# Altium PCB pycyby.PcbDoc (part 1 of 2)
Units mil, origin at the board's own origin, x right, y up, seen from the top; angles counter-clockwise.
Board outline 4015.75 x 3346.46 mil, 2 copper layers (Top Layer, Bottom Layer), stack 63.824 mil thick; 169 components, 123 nets, 635 pads, 245 vias.
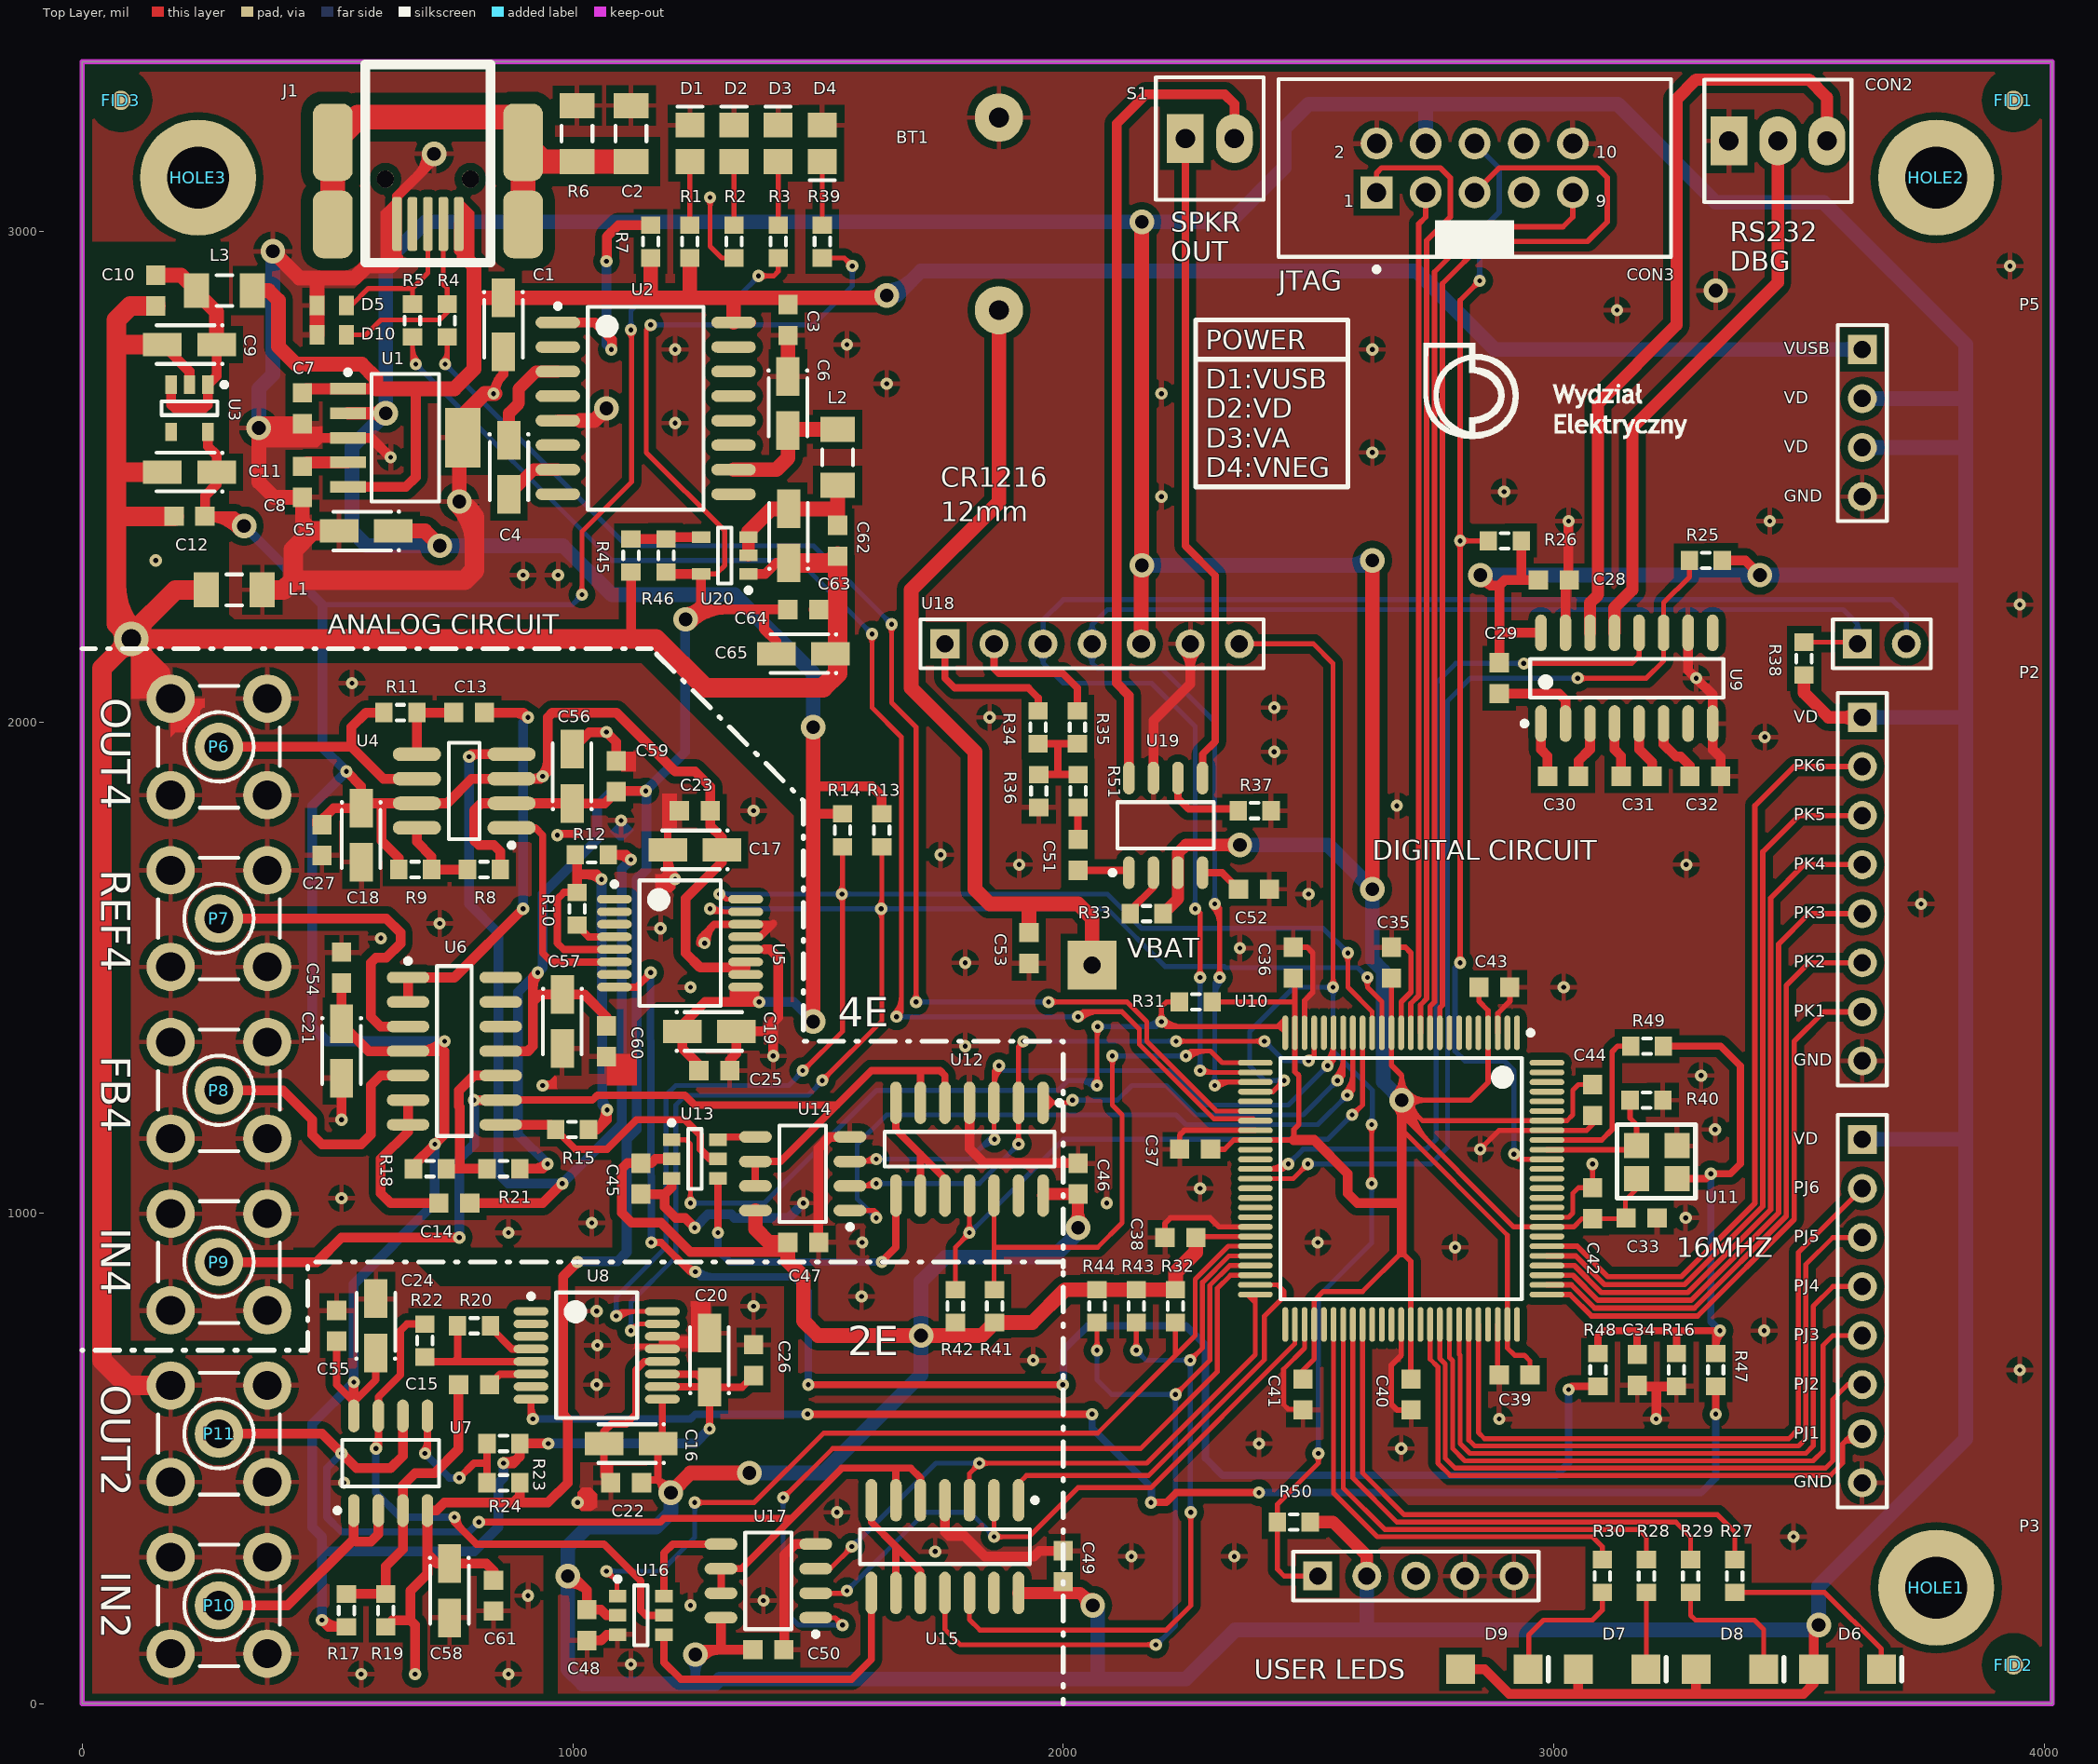
[diagram p0: Top Layer view]
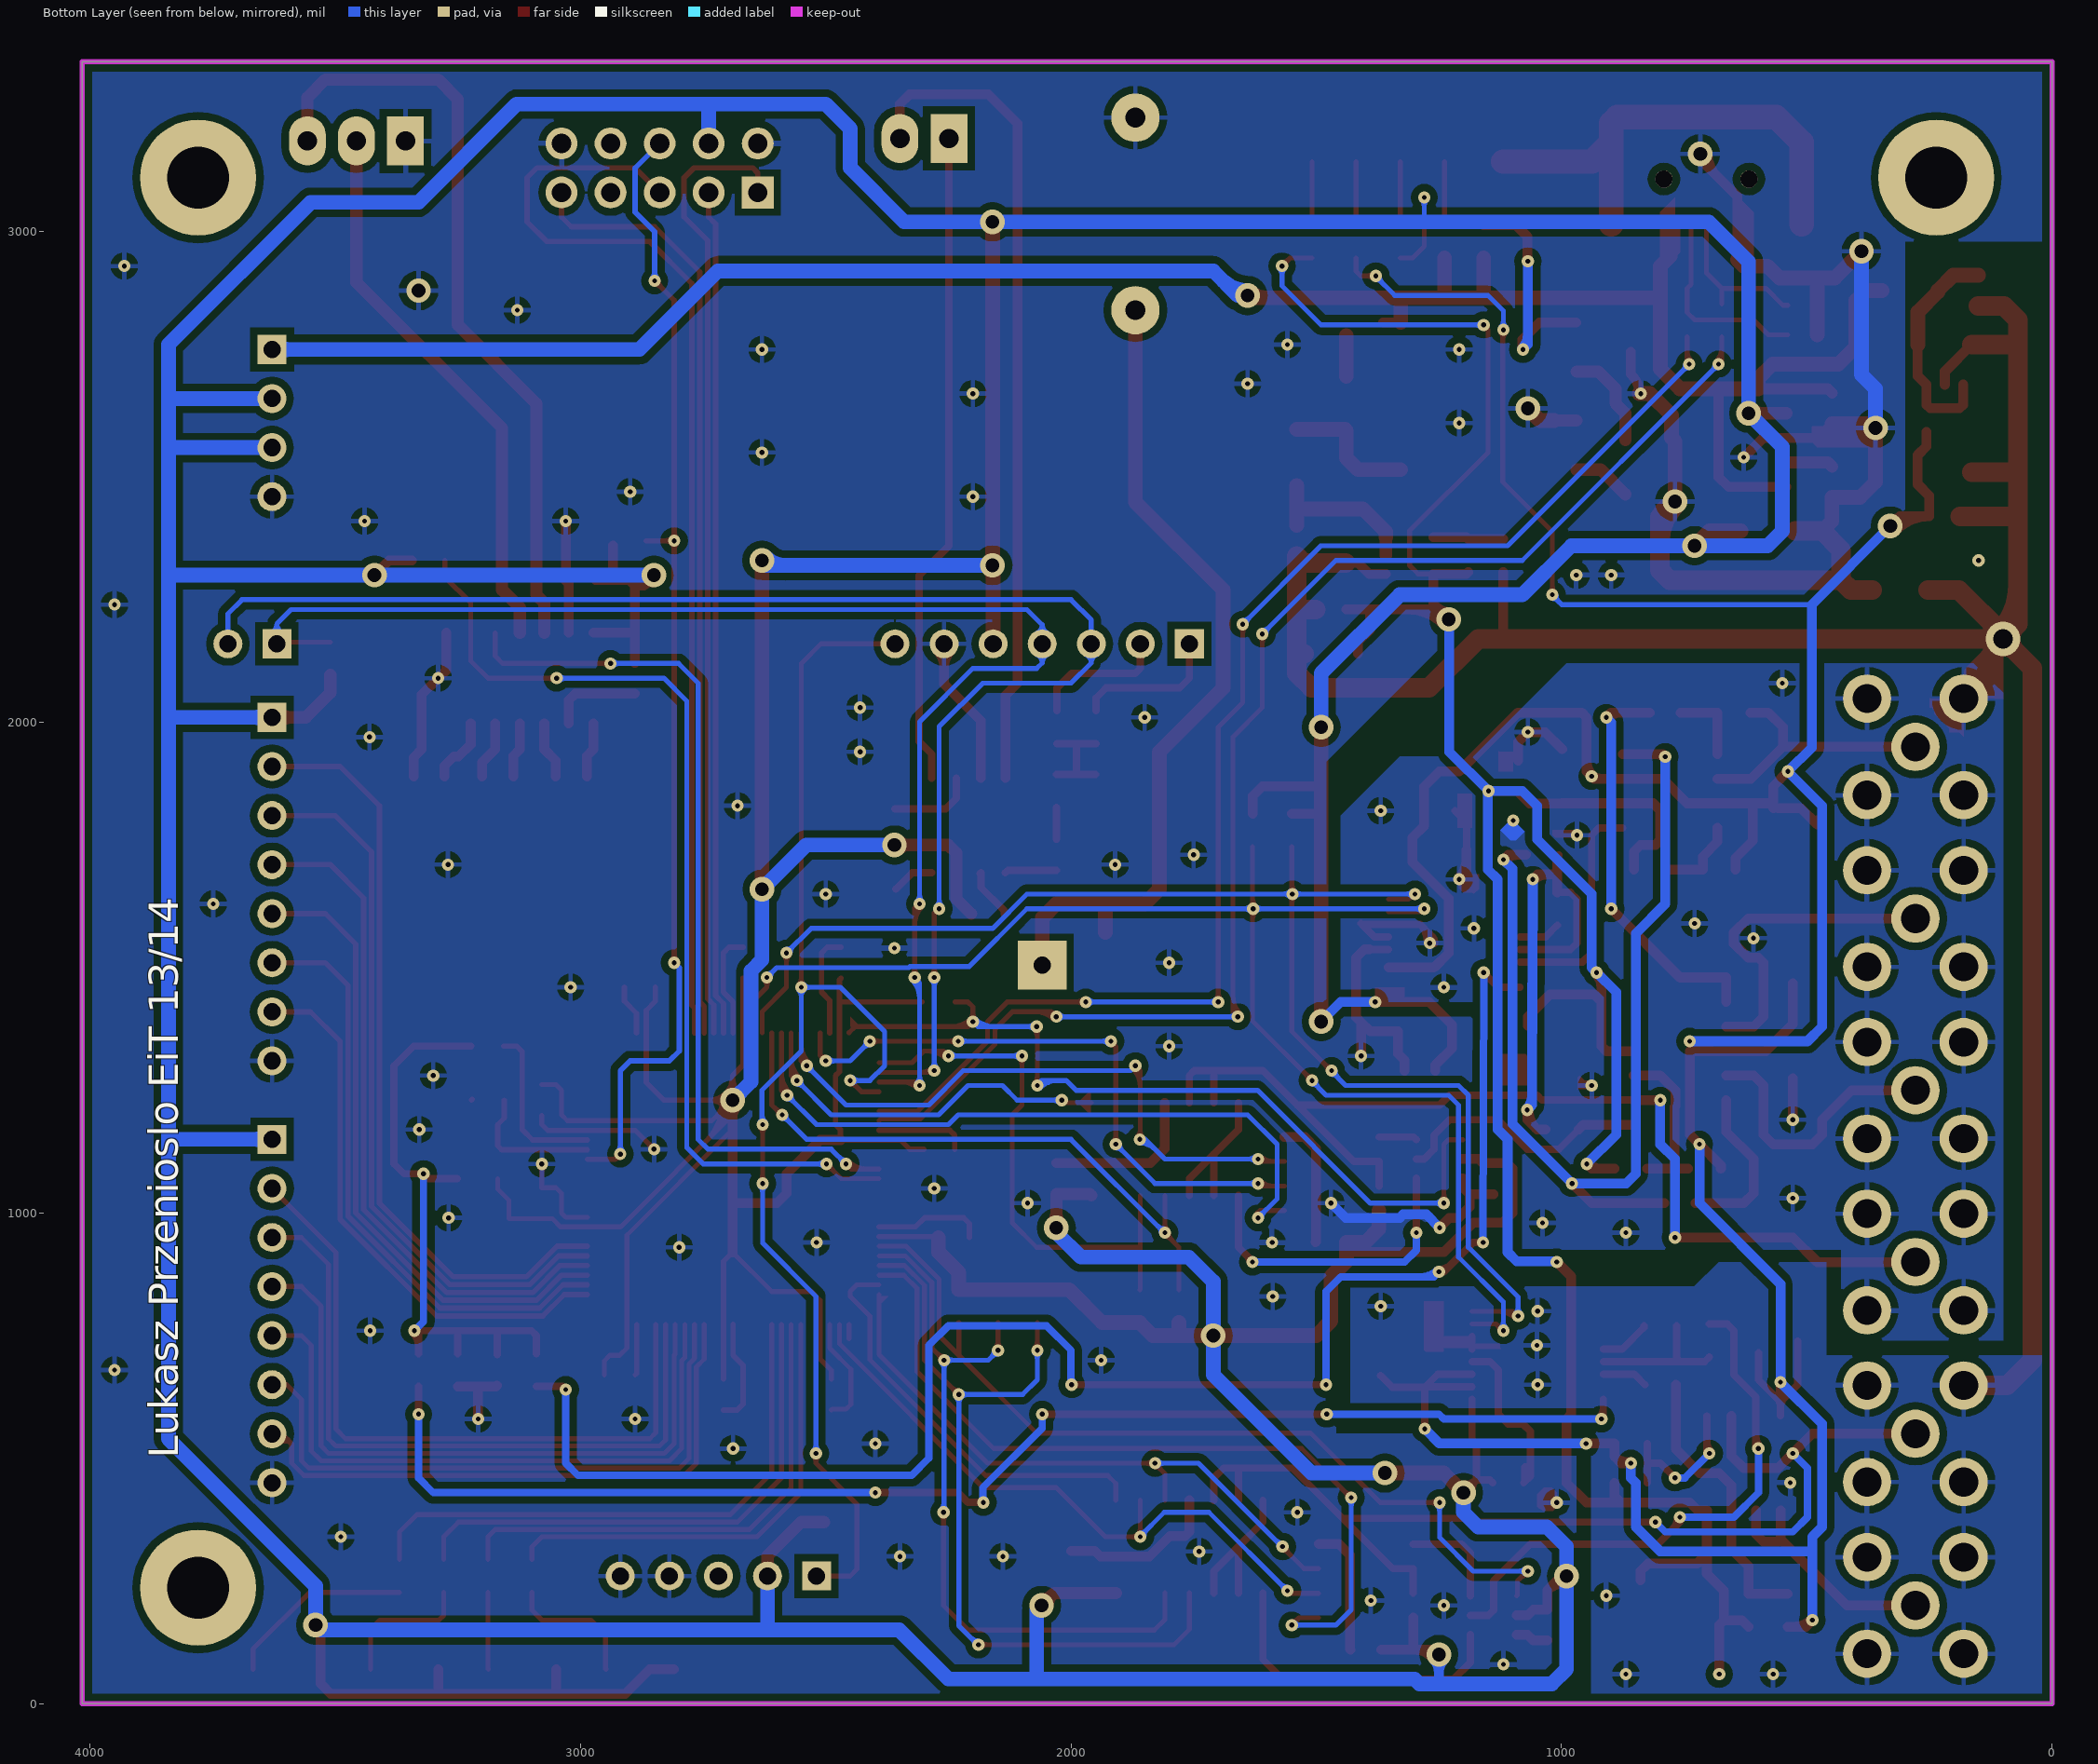
[diagram p1: Bottom Layer view, seen from below]

## Layer stack, top to bottom
Top Solder: solder mask 0.4, Solder Resist, Dk 3.5
Top Layer: signal copper 1.4
Dielectric 1: dielectric 61.0236, FR-4, Dk 4.8
Bottom Layer: signal copper 1.4
Bottom Solder: solder mask 0.4, Solder Resist, Dk 3.5

## Board outline
0,0 0,3346.46 4015.75,3346.46 4015.75,0

## Design rules (kind name [scope] priority, off if disabled: settings)
Clearance shield2polygon [InNet('SHIELD')] p1: gap=25
Clearance polygons [InPolygon] p2: gap=15
Clearance [All] p3: gap=5
HoleSize [All] p1: absolutevalues=TRUE maxlimit=300 minlimit=1 maxpercent=80.000 minpercent=20.000
MinimumSolderMaskSliver [All] p1: minsoldermaskwidth=1
PlaneClearance [All] p1: clearance=10
PolygonConnect [All] p1: connectstyle=Relief reliefconductorwidth=10 reliefentries=4 polygonreliefangle="90 Angle" airgapwidth=15
RoutingVias [All] p1: holewidth=28 width=50 viastyle="Through Hole" minholewidth=28 minwidth=50 maxholewidth=28 maxwidth=50
SilkToSilkClearance [All] p1: silktosilkclearance=1
SilkToSolderMaskClearance [IsPad] p1 off: minsilkscreentomaskgap=1 clearancetoexposedcopper=TRUE
SolderMaskExpansion [All] p1: expansion=4
Width VBAT [InNet('VBAT')] p1: maxlimit=30 minlimit=10 preferedwidth=20
Width SHIELD [InNet('SHIELD')] p2: maxlimit=70 minlimit=50 preferedwidth=70
Width VUSB [InNet('12V')] p3: maxlimit=40 minlimit=10 preferedwidth=30
Width GND [InNet('GND')] p4: maxlimit=70 minlimit=10 preferedwidth=70
Width AGND [InNet('AGND')] p5: maxlimit=70 minlimit=10 preferedwidth=70
Width VD [InNet('5V')] p6: maxlimit=40 minlimit=10 preferedwidth=30
Width VA [InNet('24V')] p7: maxlimit=40 minlimit=10 preferedwidth=30
Width VNEG [InNet('24V')] p8: maxlimit=40 minlimit=10 preferedwidth=30
Width [All] p9: maxlimit=40 minlimit=10 preferedwidth=10
24 further rules are at their usual default settings.

## Classes and differential pairs
component class sntrler: FID1 FID2 FID3 HOLE1 HOLE2 HOLE3
component class U_analog: C13 C14 C15 C16 C17 C18 C19 C20 C21 C22 C23 C24 C25 C26 C27 C54 C55 C56 C57 C58 C59 C60 C61 P6 P7 P8 P9 P10 P11 R8 R9 R10 R11 R12 R13 R14 R15 R16 R17 R18 R19 R20 R21 R22 R23 R24 R47 R48 U4 U5 U6 U7 U8
component class U_debug: C28 C29 C30 C31 C32 CON2 CON3 R25 R26 U9
component class U_mcu: C33 C34 C35 C36 C37 C38 C39 C40 C41 C42 C43 C44 D6 D7 D8 D9 P2 P3 R27 R28 R29 R30 R40 R49 U10 U11
component class U_pots: C45 C46 C47 C48 C49 C50 R31 R32 R41 R42 R43 R44 U12 U13 U14 U15 U16 U17
component class U_power: BT1 C1 C2 C3 C4 C5 C6 C7 C8 C9 C10 C11 C12 C62 C63 C64 C65 D1 D2 D3 D4 D5 D10 J1 L1 L2 L3 P5 R1 R2 R3 R4 R5 R6 R7 R39 R45 R46 U1 U2 U3 U20
component class U_vizics: C51 C52 C53 R33 R34 R35 R36 R37 R38 R50 R51 S1 U18 U19

## Components (designator, comment, footprint, x,y, rotation, side; value= is the part's Value field where it differs from the comment)
BT1 "CR1216" 12MM-BATTERY-HOLDER 1868.74,2840 r0 top
C1 "10uF" SMDA 858.74,2810 r270 top
C2 "2n2 / 500V" CAPC3216N 1118.74,3200 r270 top
C3 "100nF" CAPC1608N 1438.74,2820 r90 top
C4 "10uF" SMDA 870,2520 r270 top
C5 "10uF" SMDA 578.74,2390 r180 top
C6 "10uF" SMDA 1438.74,2650 r270 top
C7 "100nF" CAPC1608N 448.74,2640 r90 top
C8 "10nF" CAPC1608N 448.74,2490 r90 top
C9 "10uF" SMDA 218.74,2770 r180 top
C10 "100nF" CAPC1608N 150,2880 r90 top
C11 "10uF" SMDA 218.74,2510 r180 top
C12 "100nF" CAPC1608N 218.74,2420 r0 top
C13 "100nF" CAPC1608N 788.74,2020 r180 top
C14 "100nF" CAPC1608N 758.74,1020 r0 top
C15 "47nF" CAPC1608N 798.74,650 r0 top
C16 "10uF" SMDA 1118.74,530 r180 top
C17 "10uF" SMDA 1248.74,1740 r180 top
C18 "10uF" SMDA 568.74,1770 r270 top
C19 "10uF" SMDA 1278.74,1370 r0 top
C20 "10uF" SMDA 1278.74,700 r90 top
C21 "10uF" SMDA 528.74,1330 r270 top
C22 "100nF" CAPC1608N 1108.74,450 r0 top
C23 "100nF" CAPC1608N 1248.74,1820 r0 top
C24 "10uF" SMDA 598.74,770 r90 top
C25 "100nF" CAPC1608N 1288.74,1290 r180 top
C26 "100nF" CAPC1608N 1368.74,700 r270 top
C27 "100nF" CAPC1608N 488.74,1760 r90 top
C28 "100nF" CAPC1608N 3000,2290 r180 top
C29 "100nF" CAPC1608N 2888.74,2090 r90 top
C30 "100nF" CAPC1608N 3018.74,1890 r180 top
C31 "100nF" CAPC1608N 3168.74,1890 r0 top
C32 "100nF" CAPC1608N 3308.74,1890 r180 top
C33 "100nF" CAPC1608N 3178.74,990 r180 top
C34 "15pF" CAPC1608N 3170,680 r90 top
C35 "100nF" CAPC1608N 2668.74,1510 r270 top
C36 "100nF" CAPC1608N 2468.74,1510 r270 top
C37 "100nF" CAPC1608N 2268.74,1130 r0 top
C38 "100nF" CAPC1608N 2238.74,950 r0 top
C39 "100nF" CAPC1608N 2920,670 r0 top
C40 "100nF" CAPC1608N 2708.74,630 r90 top
C41 "100nF" CAPC1608N 2488.74,630 r90 top
C42 "100nF" CAPC1608N 3078.74,1020 r270 top
C43 "100nF" CAPC1608N 2878.74,1460 r180 top
C44 "100nF" CAPC1608N 3078.74,1230 r90 top
C45 "100nF" CAPC1608N 1138.74,1070 r90 top
C46 "100nF" CAPC1608N 2030,1070 r270 top
C47 "100nF" CAPC1608N 1470,940 r180 top
C48 "100nF" CAPC1608N 1028.74,160 r90 top
C49 "100nF" CAPC1608N 2000,280 r270 top
C50 "100nF" CAPC1608N 1398.74,110 r180 top
C51 "i" CAPC1608N 2030,1730 r270 top
C52 "100nF" CAPC1608N 2388.74,1660 r0 top
C53 "100nF" CAPC1608N 1930,1540 r90 top
C54 "100nF" CAPC1608N 528.74,1500 r270 top
C55 "100nF" CAPC1608N 518.74,770 r270 top
C56 "10uF" SMDA 998.74,1890 r90 top
C57 "10uF" SMDA 978.74,1390 r270 top
C58 "10uF" SMDA 748.74,230 r270 top
C59 "100nF" CAPC1608N 1088.74,1890 r270 top
C60 "100nF" CAPC1608N 1068.74,1350 r90 top
C61 "100nF" CAPC1608N 838.74,220 r90 top
C62 "100nF" CAPC1608N 1540,2370 r270 top
C63 "10uF" SMDA 1440,2380 r90 top
C64 "100nF" CAPC1608N 1470,2230 r0 top
C65 "10uF" SMDA 1470,2140 r180 top
CON2 "MX-02204-1031" MX-02204-1031 3456.69,3185.04 r0 top
CON3 "Header 5X2" 918510X324 2838.58,3129.92 r0 top
D1 "LL-S172GC-2A" CD2012-0805 1238.74,3180 r90 top
D2 "LL-S172GC-2A" CD2012-0805 1328.74,3180 r90 top
D3 "LL-S172GC-2A" CD2012-0805 1418.74,3180 r90 top
D4 "LL-S172GC-2A" CD2012-0805 1508.74,3180 r270 top (schematic designator D10)
D5 "SURGX" SURGX-0603 508.74,2850 r0 top
D6 "LED_YELLOW" KPA-3010SGD 3598.74,70 r0 top
D7 "LED_YELLOW" KPA-3010SGD 3118.74,70 r0 top
D8 "LED_YELLOW" KPA-3010SGD 3358.74,70 r0 top
D9 "LED_YELLOW" KPA-3010SGD 2878.74,70 r0 top
D10 "SURGX" SURGX-0603 508.74,2790 r0 top (schematic designator D4)
FID1 "Fiducial" "Fid Round" 3937.01,3267.72 r0 top
FID2 "Fiducial" "Fid Round" 3937.01,78.74 r0 top
FID3 "Fiducial" "Fid Round" 78.74,3267.72 r0 top
HOLE1 "Mounting Hole" Hole3.2x6mm#1 3779.53,236.22 r0 top
HOLE2 "Mounting Hole" Hole3.2x6mm#1 3779.53,3110.24 r0 top
HOLE3 "Mounting Hole" Hole3.2x6mm#2 314.96,3110.24 r0 top
J1 "67503-1020" MOLX-67503-1020_V 767.72,3015.75 r270 top
L1 "Ferrite" FERRITE_1206 310,2270 r180 top
L2 "Ferrite" FERRITE_1206 1540,2540 r270 top
L3 "Ferrite" FERRITE_1206 290,2880 r180 top
P2 "Header 8" HDR1X8 3628.74,2010 r270 top
P3 "Header 8" HDR1X8 3628.74,1150 r270 top
P5 "Header 4" HDR1X4 3628.74,2760 r270 top
P6 "SMB" SMB_V-RJ45 278.74,1950 r90 top
P7 "SMB" SMB_V-RJ45 278.74,1600 r90 top
P8 "SMB" SMB_V-RJ45 278.74,1250 r90 top
P9 "SMB" SMB_V-RJ45 278.74,900 r90 top
P10 "SMB" SMB_V-RJ45 278.74,200 r90 top
P11 "SMB" SMB_V-RJ45 278.74,550 r90 top
R1 "220R" RESC1608N 1238.74,2980 r270 top
R2 "110R" RESC1608N 1328.74,2980 r270 top
R3 "110R" RESC1608N 1418.74,2980 r270 top
R4 "22R" RESC1608N 744.09,2818.9 r270 top
R5 "22R" RESC1608N 673.23,2818.9 r270 top
R6 "10M" RESC3216N 1008.74,3200 r270 top
R7 "690R" RESC1608N 1158.74,2980 r270 top
R8 "49.9k" RESC1608N 818.74,1700 r0 top
R9 "49.9k" RESC1608N 678.74,1700 r0 top
R10 "20k" RESC1608N 1008.74,1620 r270 top
R11 "500k" RESC1608N 648.74,2020 r0 top
R12 "500k" RESC1608N 1038.74,1730 r180 top
R13 "2.2k" RESC1608N 1630,1780 r270 top
R14 "2.2k" RESC1608N 1550,1780 r270 top
R15 "20k" RESC1608N 998.74,1170 r0 top
R16 "100K" RESC1608N 3250,680 r270 top
R17 "49.9k" RESC1608N 538.74,190 r90 top
R18 "49.9k" RESC1608N 708.74,1090 r0 top
R19 "49.9k" RESC1608N 618.74,190 r270 top
R20 "20k" RESC1608N 798.74,770 r180 top
R21 "49.9k" RESC1608N 858.74,1090 r0 top
R22 "20k" RESC1608N 698.74,740 r270 top
R23 "49.9k" RESC1608N 858.74,530 r180 top
R24 "49.9k" RESC1608N 858.74,450 r0 top
R25 "100K" RESC1608N 3310,2330 r0 top
R26 "47k" RESC1608N 2900,2370 r0 top
R27 "680R" RESC1608N 3368.74,260 r270 top
R28 "680R" RESC1608N 3188.74,260 r270 top
R29 "680R" RESC1608N 3278.74,260 r270 top
R30 "680R" RESC1608N 3098.74,260 r270 top
R31 "100K" RESC1608N 2270,1430 r0 top
R32 "100K" RESC1608N 2228.74,810 r90 top
R33 "10k" RESC1608N 2170,1610 r180 top
R34 "470R" RESC1608N 1948.74,1990 r270 top
R35 "470R" RESC1608N 2028.74,1990 r270 top
R36 "20k" RESC1608N 1950,1860 r270 top
R37 "10k" RESC1608N 2390,1820 r180 top
R38 "100K" RESC1608N 3510,2130 r270 top
R39 "110R" RESC1608N 1508.74,2980 r90 top
R40 "10k" RESC1608N 3188.74,1230 r180 top
R41 "100K" RESC1608N 1860,810 r270 top
R42 "100K" RESC1608N 1780,810 r270 top
R43 "100K" RESC1608N 2148.74,810 r90 top
R44 "100K" RESC1608N 2068.74,810 r90 top
R45 "30.1k" RESC1608N 1118.74,2340 r90 top
R46 "56k" RESC1608N 1190,2340 r270 top
R47 "22R" RESC1608N 3330,680 r90 top
R48 "22R" RESC1608N 3090,680 r90 top
R49 "22R" RESC1608N 3190,1340 r180 top
R50 "47k" RESC1608N 2470,370 r180 top
R51 "i" RESC1608N 2030,1860 r270 top
S1 "Speaker" MX-02227-2021 2298.74,3190 r0 top
U1 "REG104GA-3.3/2K5G4" TI-DCQ6_L 658.74,2580 r0 top
U2 "TC962COE" SOIC-OE16_moje 1148.74,2640 r0 top
U3 "adp150" SOT95P280X100-5N 218.74,2640 r270 top
U4 "AD8130" SO-8_M 778.74,1860 r180 top
U5 "AD5933YRSZ" ADI-RS-16_L 1218.74,1550 r0 top
U6 "AD8608ARZ" ADI-R-14_N 758.74,1330 r0 top
U7 "AD8606ARZ" SOIC127P600-8AL 628.74,490 r90 top
U8 "AD5933YRSZ" ADI-RS-16_L 1048.74,710 r0 top
U9 "MAX3232CUE" TI-D16_L_moje 3148.74,2090 r90 top
U10 "ATxmega128A1U-AU" 100A_MOJE 2688.74,1070 r270 top locked
U11 "CFPS-39" ECX32 3168.74,1070 r0 top
U12 "MCP42100T-I/SL" ADI-R-14_N 1808.74,1130 r270 top
U13 "MAX4625" SOT100P275-6L 1248.74,1110 r0 top
U14 "MCP41010T-I/SN" SOIC127P600-8AL 1468.74,1080 r180 top
U15 "MCP42100T-I/SL" ADI-R-14_N 1758.74,320 r270 top
U16 "MAX4625" SOT100P275-6L 1138.74,180 r0 top
U17 "MCP41010T-I/SN" SOIC127P600-8AL 1398.74,250 r180 top
U18 "SMART_GPU2" LCD_HEADERS 1218.74,160 r0 top locked
U19 "TPA0211" SOIC127P600-8AL 2208.74,1790 r90 top
U20 "TPS72301DBVRG4" SOT95P280X100-5N 1310,2340 r180 top

## Footprints (in the part's own frame and the unit in brackets; to place one, negate y for a bottom-side part, rotate by r counter-clockwise, add the part's x,y. Pads: shape width x height; smd on the part's side, far side on the other; paste and mask are expansions set on the pad)
12MM-BATTERY-HOLDER [mm]
  round 2.5 hole 1.02: 1(0,0) 2(0,9.97)
  body extent -7.55,-7.55 7.55,11.55, height 5
100A_MOJE [mm] "Thin QFP, 100-Leads, Body 14x14mm, Pitch 0.5mm, IPC Medium Density"
  oval 1.8x0.3 smd: 1(-7.55,6) 2(-7.55,5.5) 3(-7.55,5) 4(-7.55,4.5) 5(-7.55,4) 6(-7.55,3.5) 7(-7.55,3) 8(-7.55,2.5) 9(-7.55,2) 10(-7.55,1.5) 11(-7.55,1) 12(-7.55,0.5) 13(-7.55,0) 14(-7.55,-0.5) 15(-7.55,-1) 16(-7.55,-1.5) 17(-7.55,-2) 18(-7.55,-2.5) 19(-7.55,-3) 20(-7.55,-3.5) 21(-7.55,-4) 22(-7.55,-4.5) 23(-7.55,-5) 24(-7.55,-5.5) 25(-7.55,-6) 51(7.55,-6) 52(7.55,-5.5) 53(7.55,-5) 54(7.55,-4.5) 55(7.55,-4) 56(7.55,-3.5) 57(7.55,-3) 58(7.55,-2.5) 59(7.55,-2) 60(7.55,-1.5) 61(7.55,-1) 62(7.55,-0.5) 63(7.55,0) 64(7.55,0.5) 65(7.55,1) 66(7.55,1.5) 67(7.55,2) 68(7.55,2.5) 69(7.55,3) 70(7.55,3.5) 71(7.55,4) 72(7.55,4.5) 73(7.55,5) 74(7.55,5.5) 75(7.55,6)
  oval 0.3x1.8 smd: 26(-6,-7.55) 27(-5.5,-7.55) 28(-5,-7.55) 29(-4.5,-7.55) 30(-4,-7.55) 31(-3.5,-7.55) 32(-3,-7.55) 33(-2.5,-7.55) 34(-2,-7.55) 35(-1.5,-7.55) 36(-1,-7.55) 37(-0.5,-7.55) 38(0,-7.55) 39(0.5,-7.55) 40(1,-7.55) 41(1.5,-7.55) 42(2,-7.55) 43(2.5,-7.55) 44(3,-7.55) 45(3.5,-7.55) 46(4,-7.55) 47(4.5,-7.55) 48(5,-7.55) 49(5.5,-7.55) 50(6,-7.55) 76(6,7.55) 77(5.5,7.55) 78(5,7.55) 79(4.5,7.55) 80(4,7.55) 81(3.5,7.55) 82(3,7.55) 83(2.5,7.55) 84(2,7.55) 85(1.5,7.55) 86(1,7.55) 87(0.5,7.55) 88(0,7.55) 89(-0.5,7.55) 90(-1,7.55) 91(-1.5,7.55) 92(-2,7.55) 93(-2.5,7.55) 94(-3,7.55) 95(-3.5,7.55) 96(-4,7.55) 97(-4.5,7.55) 98(-5,7.55) 99(-5.5,7.55) 100(-6,7.55)
  silkscreen extent -7.67,-6.25 6.25,6.83, body extent -8.01,-8.01 8.01,8.01, height 1.6
918510X324 [mm] "Connector; IDC, Low Profile Male Header, Thru-Hole; 10 Position; Vertical; Pitch 2.54 mm; Body 20.32 x 9.2 x 9.45 mm (LxWxH)"
  rect 1.65x1.65 hole 1: 1(-5.08,-1.27)
  round 1.65 hole 1: 2(-5.08,1.27) 3(-2.54,-1.27) 4(-2.54,1.27) 5(0,-1.27) 6(0,1.27) 7(2.54,-1.27) 8(2.54,1.27) 9(5.08,-1.27) 10(5.08,1.27)
  silkscreen extent -10.16,-5.37 10.16,4.6, body extent -10.16,-4.57 10.16,4.57, height 9.86
ADI-R-14_N [mm] "SOIC, 14-Leads, Body 8.65x3.9mm, Pitch 1.27mm, IPC Medium Density"
  oval 2.2x0.6 smd: 1(-2.4,3.81) 2(-2.4,2.54) 3(-2.4,1.27) 4(-2.4,0) 5(-2.4,-1.27) 6(-2.4,-2.54) 7(-2.4,-3.81) 8(2.4,-3.81) 9(2.4,-2.54) 10(2.4,-1.27) 11(2.4,0) 12(2.4,1.27) 13(2.4,2.54) 14(2.4,3.81)
  silkscreen extent -2.52,-4.4 0.9,4.78, body extent -2.9,-4.27 2.9,4.28, height 1.75
ADI-RS-16_L [mm] "SOP, 16-Leads, Body 6.2x5.3mm, Pitch 0.65mm, IPC High Density"
  oval 1.8x0.45 smd: 1(-3.4,2.275) 2(-3.4,1.625) 3(-3.4,0.975) 4(-3.4,0.325) 5(-3.4,-0.325) 6(-3.4,-0.975) 7(-3.4,-1.625) 8(-3.4,-2.275) 9(3.4,-2.275) 10(3.4,-1.625) 11(3.4,-0.975) 12(3.4,-0.325) 13(3.4,0.325) 14(3.4,0.975) 15(3.4,1.625) 16(3.4,2.275)
  silkscreen extent -3.52,-3.25 2.1,3.25, body extent -3.2,-2.5 3.2,2.5, height 2
CAPC1608N [mm] "Chip Capacitor, Body 1.6x0.8mm, IPC Medium Density"
  rect 1x1 smd: 1(-0.8,0) 2(0.8,0)
  body extent -0.8,-0.4 0.8,0.4, height 0.3
CAPC3216N [mm] "Chip Capacitor, Body 3.2x1.6mm, IPC Medium Density"
  rect 1.3x1.8 smd: 1(-1.45,0) 2(1.45,0)
  silkscreen extent -0.4,-0.8 0.4,0.8, body extent -1.6,-0.84 1.6,0.76, height 1
CD2012-0805 [mm] "Chip Diode; Body 2.0 x 1.3 mm (LxW typ)"
  rect 1.3x1.5 smd: 1(-0.95,0) 2(0.95,0)
  silkscreen extent 1.9,-0.65 1.9,0.65, body extent -1.01,-0.64 1.01,0.61, height 1.1
ECX32 [mm]
  rect 1.3x1.3 smd: 1(0,1.7) 2(2.1,1.7) 3(2.1,0) 4(0,0)
  silkscreen extent -1.02,-1.02 3.05,2.79, body extent -0.53,-0.39 2.67,2.11, height 0.53
FERRITE_1206 [mm] "Chip Resistor, Body 3.2x1.6mm, IPC Medium Density"
  rect 1.3x1.8 smd: 1(-1.45,0) 2(1.45,0)
  silkscreen extent -0.4,-0.8 0.4,0.8, body extent -1.6,-0.8 1.6,0.8, height 1.1
"Fid Round" [mm]
  round 1 smd mask+1: 0(0,0)
  Top Layer pour cut-out: -1.651,0 -1.525,0.632 -1.167,1.167 -0.632,1.525 0,1.651 0,1.651 0.632,1.525 1.167,1.167 1.525,0.632 1.651,0 1.651,0 1.525,-0.632 1.167,-1.167 0.632,-1.525 0,-1.651 0,-1.651 -0.632,-1.525 -1.167,-1.167 -1.525,-0.632 -1.651,0
HDR1X4 [mm] "Connector; Header; 4 Position"
  rect 1.5x1.5 hole 0.9: 1(0,0)
  round 1.5 hole 0.9: 2(2.54,0) 3(5.08,0) 4(7.62,0)
  silkscreen extent -1.27,-1.27 8.89,1.27, body extent -1.39,-0.29 9.02,9.77, height 2.52
HDR1X8 [mm] "Connector; Header; 8 Position"
  rect 1.5x1.5 hole 0.9: 1(0,0)
  round 1.5 hole 0.9: 2(2.54,0) 3(5.08,0) 4(7.62,0) 5(10.16,0) 6(12.7,0) 7(15.24,0) 8(17.78,0)
  silkscreen extent -1.27,-1.27 19.05,1.27, body extent -1.39,-0.29 19.18,9.77, height 2.52
Hole3.2x6mm#1 [mm] "Mounting Hole"
  round 6 hole 3.2: 0(0,0)
  body extent -0.1,-0.1 0.1,0.1
Hole3.2x6mm#2 [mm] "Mounting Hole"
  round 6 hole 3.2: 0(-2,0)
  body extent -0.1,-0.1 0.1,0.1
KPA-3010SGD [mm] "SUPER BRIGHT GREEN (GaP) DIFFUSESD"
  rect 1.5x1.5 smd: 1(-1.75,0) 2(1.75,0)
  silkscreen extent 2.8,-0.6 2.8,0.6, body extent -1.5,-1.45 1.5,0.55, height 1
LCD_HEADERS [mm]
  rect 1.5x1.5 hole 0.9: 1(13.716,50.8) 8(33.02,2.54) 13(60.96,50.8)
  round 1.5 hole 0.9: 2(16.256,50.8) 3(18.796,50.8) 4(21.336,50.8) 5(23.876,50.8) 6(26.416,50.8) 7(28.956,50.8) 9(35.56,2.54) 10(38.1,2.54) 11(40.64,2.54) 12(43.18,2.54) 14(63.5,50.8)
  rect 2.54x2.54 hole 0.9: 15(21.336,34.163)
  silkscreen extent 12.45,1.27 64.77,52.07, body extent -2.19,-0.66 67.31,53.34, height 8
MOLX-67503-1020_V [mm] "Mini USB Connector, SMT, Righer Angle"
  rrect50% 2.8x0.5 smd: 1(0,0) 2(0,-0.8) 3(0,-1.6) 4(0,-2.4) 5(0,-3.2)
  rrect50% 3.5x2.05 smd: 6(0.025,3.325) 8(0.025,-6.525)
  rrect50% 4x2.05 smd: 7(-4.225,3.325) 9(-4.225,-6.525)
  round 0.9 hole 0.9 unplated: X(-2.325,-3.8) Y(-2.325,0.6)
  silkscreen extent -8.25,-4.85 2,1.65, body extent -8.21,-6.55 0.79,3.35, height 4
MX-02204-1031 [mm]
  rect 1.905x2.54 hole 1: 1(-2.54,0)
  oval 1.905x2.54 hole 1: 2(0,0) 3(2.54,0)
  silkscreen extent -3.81,-3.17 3.81,3.17, body extent -3.5,-2.95 3.5,2.85, height 11.7
MX-02227-2021 [mm]
  rect 1.905x2.54 hole 1: 1(-1.27,0)
  oval 1.905x2.54 hole 1: 2(1.27,0)
  silkscreen extent -2.79,-3.17 2.79,3.17, body extent -2.54,-2.92 2.54,2.88, height 11.7
RESC1608N [mm] "Chip Resistor, Body 1.6x0.8mm, IPC Medium Density"
  rect 0.9x1 smd: 1(-0.85,0) 2(0.85,0)
  silkscreen extent -0.2,-0.4 0.2,0.4, body extent -0.8,-0.4 0.8,0.4, height 0.3
RESC3216N [mm] "Chip Resistor, Body 3.2x1.6mm, IPC Medium Density"
  rect 1.3x1.8 smd: 1(-1.45,0) 2(1.45,0)
  silkscreen extent -0.4,-0.8 0.4,0.8, body extent -1.6,-0.8 1.6,0.8, height 0.55
SMB_V-RJ45 [mm] "Connector; SMB Straight"
  round 2.5 hole 1.5: 1(0,0) 2(-2.5,-2.5) 2(-2.5,2.5) 2(2.5,-2.5) 2(2.5,2.5)
  silkscreen extent -3.15,-3.15 3.15,3.15, body extent -3.52,-3.47 3.48,3.53, height 7.62